# KiCad board NS32016-BC.kicad_pcb (continued)
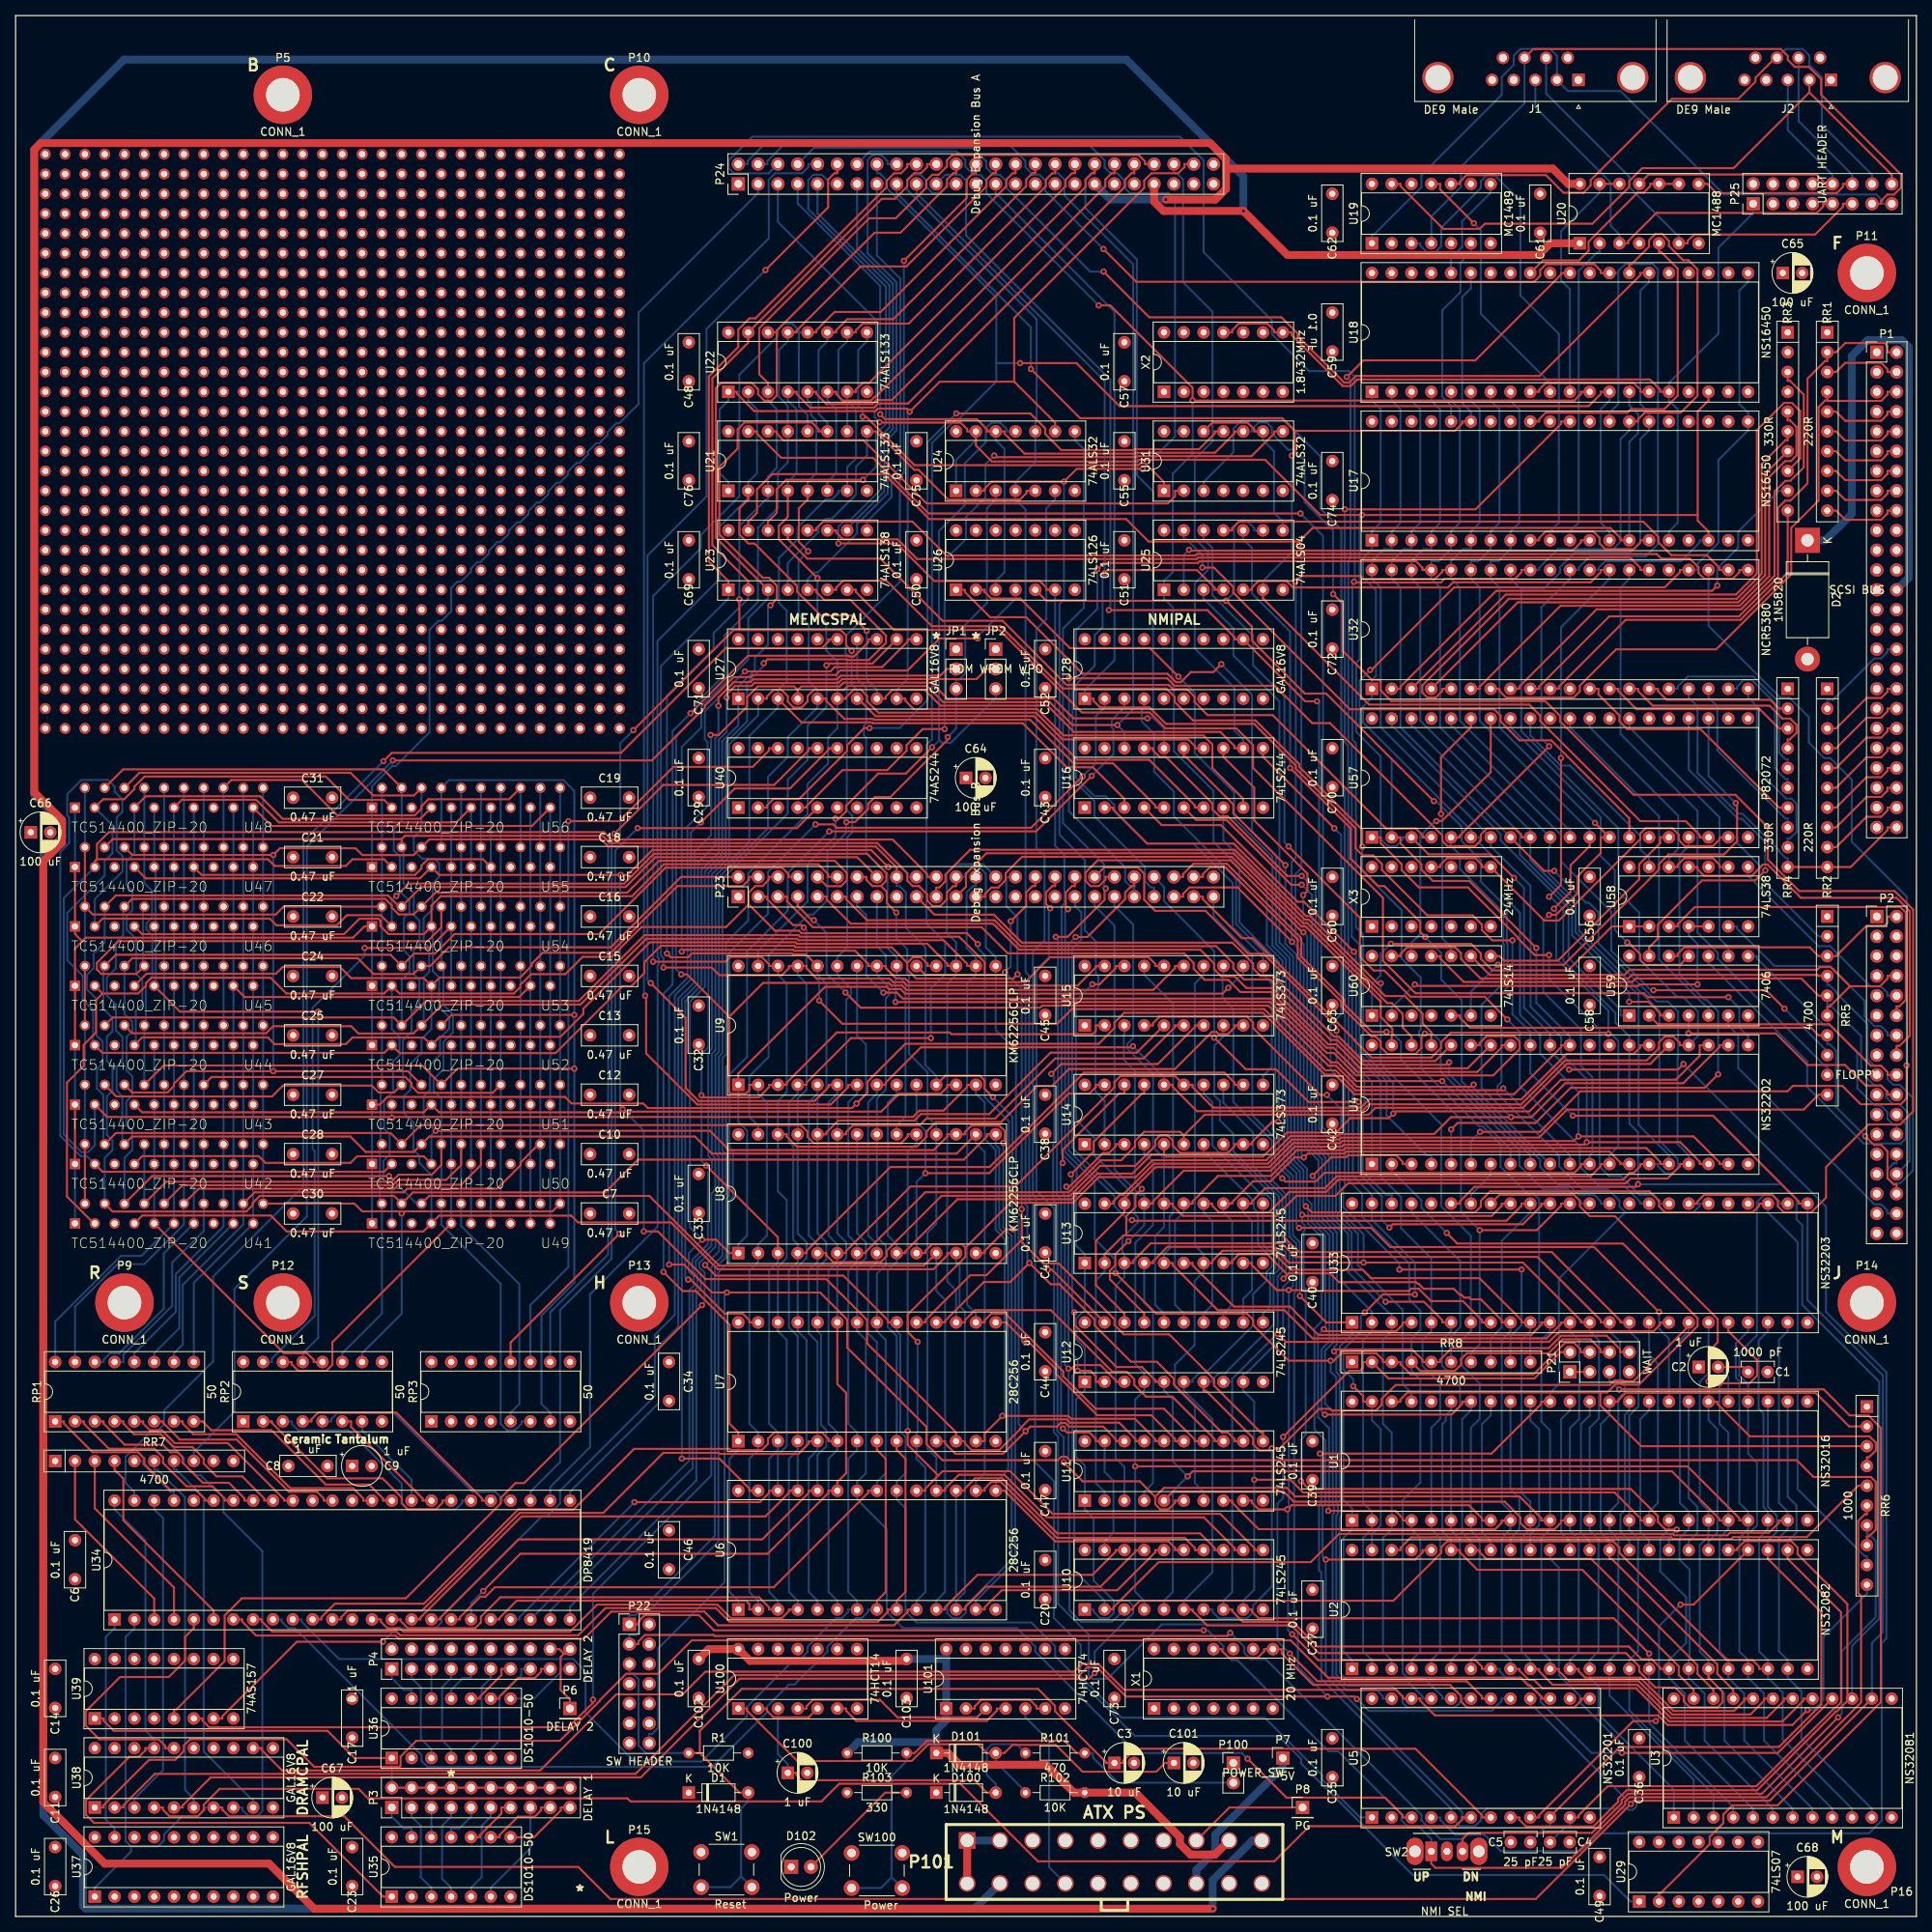
[diagram p0: board, top side]
## Nets (continued)
+pav: P24.19 U14.11 U15.11 U25.4
+phi1: C4.1 U1.26 U2.26 U5.11
+phi2: C5.1 U1.27 U2.27 U5.10
+rahs: RR7.3 U34.4
+ras_dly100: P3.2 P3.4 P3.6 P3.8 P3.10 P3.12 P3.14 P3.16 P3.18 P3.20 U36.1 U39.1
+rdy: U1.28 U2.28 U5.9 U33.26
+rfio: U34.46 U38.3
+rfshclk: U34.1 U37.19
+rts1_rs232: J1.7 P25.11 U20.6
+rts2_rs232: J2.7 P25.12 U20.8
+rxd1_rs232: J1.2 P25.15 U19.1
+rxd2_rs232: J2.2 P25.16 U19.13
+scsi_eop: RR5.9 U32.27
+scsi_ir: U4.6 U32.23
+st0: U1.43 U2.43 U3.23
+st1: U1.42 U2.42 U3.22 U4.3
+st2: U1.41 U2.41
+st3: U1.40 U2.40
+swap_jumper: P22.14 RR6.8 U27.11
+system_reset: P24.17 U17.35 U18.35 U25.6 U57.18
+tcu_clk_in: U5.13 X1.8 X1.11
+txd1_rs232: J1.3 P25.9 U20.3
+txd2_rs232: J2.3 P25.10 U20.11
+uart1_clk_out: U17.9 U17.15
+uart1_ir: U4.1 U17.30
+uart2_clk_out: U18.9 U18.15
+uart2_ir: U4.4 U18.30
+uart_xtal1: P25.1 U17.16 U18.16 X2.8 X2.11
-abt: U1.34 U2.34
-adr<6>: U17.12 U25.2
-ads: U1.37 U2.37
-cas1: RP2.6 U34.32
-cas2: RP2.11 U41.2 U42.2 U43.2 U44.2 U45.2 U46.2 U47.2 U48.2 U49.2 U50.2 U51.2 U52.2 U53.2 U54.2 U55.2 U56.2
-cts1: U17.36 U19.6
-cts2: U18.36 U19.8
-cwait: RR6.10 U5.22 U38.12
-dbe: P24.23 U5.1 U24.4 U24.10
-ddin: U1.38 U2.38 U5.5 U25.9 U26.5 U33.30
-ddin_buf: P24.9 U10.1 U11.1 U12.1 U13.1 U26.6 U38.5
-dma_ack0: U33.32 U57.1
-dma_ack2: P23.48 U33.36
-dma_ack3: P23.44 U33.38
-dma_breq: RR8.6 U33.45
-dma_cs: U31.3 U33.46
-dma_cs1: U22.9 U31.1
-dma_ir: U4.7 U33.42
-dma_req0: U25.12 U33.33
-dma_req1: U25.10 U33.35
-dma_req2: P23.46 RR8.7 U33.37
-dma_req3: P23.42 RR8.8 U33.39
-dram_cs: U27.15 U34.47 U38.8
-drv_sel0: U58.4 U58.5 U58.10 U60.2
-eprom_cs: U6.20 U7.20 U27.12 U29.1
-fdb_dir: P2.18 U59.2
-fdb_ds0: P2.14 U58.6
-fdb_ds1: P2.12 U58.3
-fdb_hdsel: P2.32 U59.6
-fdb_idx: P2.8 RR5.6 U60.9
-fdb_ld: P2.2 RR5.3 U59.12
-fdb_motor0: P2.10 U58.8
-fdb_motor1: P2.16 U58.11
-fdb_rddata: P2.30 RR5.7 U60.5
-fdb_stp: P2.20 U59.4
-fdb_trk0: P2.26 RR5.4 U60.13
-fdb_we: P2.24 U59.8
-fdb_wp: P2.28 RR5.5 U60.11
-fdb_wrdata: P2.22 U59.10
-flt: U1.33 U2.33
-hbe: U1.32 U26.2
-hbe_buf: P24.7 U24.12 U26.3 U31.10 U33.31
-hlda: U2.32 U26.1 U33.40
-hlda_mmu: U1.31 U2.31
-hold: RR6.4 U1.30 U2.30 U33.41
-int: RR6.3 U1.46 U4.2
-io_cs: U21.9 U23.4 U24.5
-io_cs_fff0: U5.23 U17.14 U18.14 U23.15
-io_cs_fff2: P24.11 U23.14
-io_cs_fff4: U23.13 U57.4
-io_cs_fff6: U23.12 U32.21
-io_cs_fff8: U23.11 U32.26
-io_cs_fffa: P24.13 U23.10
-io_cs_fffc: P24.15 U23.9
-io_cs_fffe: U4.21 U23.7
-io_edata_oe: U12.19 U24.6
-io_odata_oe: RR5.10 U13.19
-mem_data_oe: U10.19 U11.19 U24.8
-mode: U34.5 U38.16
-nmi: P24.21 U1.45 U28.12
-nmi_down: P22.3 RR6.7 SW2.3 U28.3
-nmi_up: P22.1 RR6.6 SW2.1 U28.2
-pav: RR6.9 U2.44 U5.6 U25.3 U33.27 U38.4
-pfs: U1.39 U2.39
-ras01: RP2.5 U34.28
-ras02: RP2.12 U41.9 U42.9 U43.9 U44.9
-ras11: RP2.4 U34.29
-ras12: RP2.13 U45.9 U46.9 U47.9 U48.9
-ras21: RP2.3 U34.30
-ras22: RP2.14 U49.9 U50.9 U51.9 U52.9
-ras31: RP2.2 U34.31
-ras32: RP2.15 U53.9 U54.9 U55.9 U56.9
-rasin: U34.48 U35.1 U38.17
-rd: P24.3 U4.30 U5.3 U6.22 U7.22 U8.22 U9.22 U17.21 U18.21 U32.24 U41.1 U42.1 U43.1 U44.1 U45.1 U46.1 U47.1 U48.1 U49.1 U50.1 U51.1 U52.1 U53.1 U54.1 U55.1 U56.1 U57.2
-rst_sw: C3.1 D1.2 P22.5 R1.1 SW1.2 U5.7
-rts1: U17.32 U20.4 U20.5
-rts2: U18.32 U20.9 U20.10
-rxd1: U17.10 U19.3
-rxd2: U18.10 U19.11
-sc_ack: P1.38 RR2.4 RR4.4 U32.14
-sc_atn: P1.32 RR2.2 RR4.2 U32.15
-sc_bsy: P1.36 RR2.3 RR4.3 U32.13
-sc_cd: P1.46 RR2.8 RR4.8 U32.18
-sc_db<0>: P1.2 RR1.2 RR3.2 U32.9
-sc_db<1>: P1.4 RR1.3 RR3.3 U32.8
-sc_db<2>: P1.6 RR1.4 RR3.4 U32.7
-sc_db<3>: P1.8 RR1.5 RR3.5 U32.6
-sc_db<4>: P1.10 RR1.6 RR3.6 U32.5
-sc_db<5>: P1.12 RR1.7 RR3.7 U32.4
-sc_db<6>: P1.14 RR1.8 RR3.8 U32.3
-sc_db<7>: P1.16 RR1.9 RR3.9 U32.2
-sc_dbp: P1.18 RR1.10 RR3.10 U32.10
-sc_io: P1.50 RR2.10 RR4.10 U32.17
-sc_msg: P1.42 RR2.6 RR4.6 U32.19
-sc_req: P1.48 RR2.9 RR4.9 U32.20
-sc_rst: P1.40 RR2.5 RR4.5 U32.16
-sc_sel: P1.44 RR2.7 RR4.7 U32.12
-spc: RR6.2 U1.35 U2.35 U3.21
-sram_cs: U8.20 U9.20 U27.14
-supervisor: U1.36 U2.36
-system_reset: U2.29 U3.15 U4.27 U5.8 U25.5 U32.28 U33.43
-tso: U5.17 U28.4 U38.2
-txd1: U17.11 U20.2
-txd2: U18.11 U20.12 U20.13
-wait1: P21.8 P23.40 RR8.5 U5.21
-wait2: P21.6 P23.38 RR8.4 U5.20
-wait4: P21.4 P23.36 RR8.3 U5.19
-wait8: P21.2 P23.34 RR8.2 U5.18
-we_h0: U31.8 U40.4
-we_h1: RP3.10 U40.16
-we_h2: RP3.7 U43.8 U44.8 U47.8 U48.8 U51.8 U52.8 U55.8 U56.8
-we_l0: U31.11 U40.2
-we_l1: RP3.11 U40.18
-we_l2: RP3.6 U41.8 U42.8 U45.8 U46.8 U49.8 U50.8 U53.8 U54.8
-win: RR7.5 U34.45
-wr: P24.5 U4.31 U5.4 U17.18 U18.18 U24.1 U24.13 U32.29 U57.3
-wr_e: JP1.3 U8.27 U24.3
-wr_o: JP2.3 U9.27 U24.11
/CPU/+bbg: C1.1 C2.2 U1.29
/IO/sc_term: D2.1 P1.26
io_decode1: RR8.9 U21.15
io_decode2: RR8.10 U23.6
PG: P8.1 P101.15
PWR_ON: P101.8 U101.5
Net-(C100-Pad1): C100.1 D100.2 R101.1 U100.3
Net-(C101-Pad1): C101.1 D101.2 R102.1 U100.1
Net-(D102-Pad2): D102.2 R103.2
Net-(JP1-Pad2): JP1.2 U6.27
Net-(JP2-Pad2): JP2.2 U7.27
Net-(P3-Pad1): P3.1 U35.13
Net-(P3-Pad3): P3.3 U35.3
Net-(P3-Pad5): P3.5 U35.12
Net-(P3-Pad7): P3.7 U35.4
Net-(P3-Pad9): P3.9 U35.11
Net-(P3-Pad11): P3.11 U35.5
Net-(P3-Pad13): P3.13 U35.10
Net-(P3-Pad15): P3.15 U35.6
Net-(P3-Pad17): P3.17 U35.9
Net-(P3-Pad19): P3.19 U35.8
Net-(P4-Pad1): P4.1 U36.13
Net-(P4-Pad3): P4.3 U36.3
Net-(P4-Pad5): P4.5 U36.12
Net-(P4-Pad7): P4.7 U36.4
Net-(P4-Pad9): P4.9 U36.11
Net-(P4-Pad10): P4.2 P4.4 P4.6 P4.8 P4.10 P4.12 P4.14 P4.16 P4.18 P4.20 P6.1
Net-(P4-Pad11): P4.11 U36.5
Net-(P4-Pad13): P4.13 U36.10
Net-(P4-Pad15): P4.15 U36.6
Net-(P4-Pad17): P4.17 U36.9
Net-(P4-Pad19): P4.19 U36.8
Net-(P21-Pad1): P21.1 P21.3 P21.5 P21.7 U29.2
Net-(P100-Pad2): P100.2 R100.2 R101.2 SW100.2
Net-(U100-Pad2): U100.2 U100.5
Net-(U100-Pad4): U100.4 U101.3
Net-(U100-Pad6): U100.6 U101.4
Net-(U101-Pad2): U101.2 U101.6

Pads without a net: J1 1 4 6 9; J2 1 4 6 9; P1 25; P2 4 6 34; P17 1 A2 A3 A4 A5 A6 A7 A8 A9 A10 A11 A12 A13 A14 A15 B1 B2 B3 B4 B5 B6 B7 B8 B9 B10 B11 B12 B13 B14 B15 C1 C2 C3 C4 C5 C6 C7 C8 C9 C10 C11 C12 C13 C14 C15 D1 D2 D3 D4 D5 D6 D7 D8 D9 D10 D11 D12 D13 D14 D15 E1 E2 E3 E4 E5 E6 E7 E8 E9 E10 E11 E12 E13 E14 E15 F1 F2 F3 F4 F5 F6 F7 F8 F9 F10 F11 F12 F13 F14 F15 G1 G2 G3 G4 G5 G6 G7 G8 G9 G10 G11 G12 G13 G14 G15 H1 H2 H3 H4 H5 H6 H7 H8 H9 H10 H11 H12 H13 H14 H15 J1 J2 J3 J4 J5 J6 J7 J8 J9 J10 J11 J12 J13 J14 J15 K1 K2 K3 K4 K5 K6 K7 K8 K9 K10 K11 K12 K13 K14 K15 L1 L2 L3 L4 L5 L6 L7 L8 L9 L10 L11 L12 L13 L14 L15 M1 M2 M3 M4 M5 M6 M7 M8 M9 M10 M11 M12 M13 M14 M15 N1 N2 N3 N4 N5 N6 N7 N8 N9 N10 N11 N12 N13 N14 N15 P1 P2 P3 P4 P5 P6 P7 P8 P9 P10 P11 P12 P13 P14 P15 Q1 Q2 Q3 Q4 Q5 Q6 Q7 Q8 Q9 Q10 Q11 Q12 Q13 Q14 Q15; P18 1 A2 A3 A4 A5 A6 A7 A8 A9 A10 A11 A12 A13 A14 A15 B1 B2 B3 B4 B5 B6 B7 B8 B9 B10 B11 B12 B13 B14 B15 C1 C2 C3 C4 C5 C6 C7 C8 C9 C10 C11 C12 C13 C14 C15 D1 D2 D3 D4 D5 D6 D7 D8 D9 D10 D11 D12 D13 D14 D15 E1 E2 E3 E4 E5 E6 E7 E8 E9 E10 E11 E12 E13 E14 E15 F1 F2 F3 F4 F5 F6 F7 F8 F9 F10 F11 F12 F13 F14 F15 G1 G2 G3 G4 G5 G6 G7 G8 G9 G10 G11 G12 G13 G14 G15 H1 H2 H3 H4 H5 H6 H7 H8 H9 H10 H11 H12 H13 H14 H15 J1 J2 J3 J4 J5 J6 J7 J8 J9 J10 J11 J12 J13 J14 J15 K1 K2 K3 K4 K5 K6 K7 K8 K9 K10 K11 K12 K13 K14 K15 L1 L2 L3 L4 L5 L6 L7 L8 L9 L10 L11 L12 L13 L14 L15 M1 M2 M3 M4 M5 M6 M7 M8 M9 M10 M11 M12 M13 M14 M15 N1 N2 N3 N4 N5 N6 N7 N8 N9 N10 N11 N12 N13 N14 N15 P1 P2 P3 P4 P5 P6 P7 P8 P9 P10 P11 P12 P13 P14 P15 Q1 Q2 Q3 Q4 Q5 Q6 Q7 Q8 Q9 Q10 Q11 Q12 Q13 Q14 Q15; P19 1 A2 A3 A4 A5 A6 A7 A8 A9 A10 A11 A12 A13 A14 A15 B1 B2 B3 B4 B5 B6 B7 B8 B9 B10 B11 B12 B13 B14 B15 C1 C2 C3 C4 C5 C6 C7 C8 C9 C10 C11 C12 C13 C14 C15 D1 D2 D3 D4 D5 D6 D7 D8 D9 D10 D11 D12 D13 D14 D15 E1 E2 E3 E4 E5 E6 E7 E8 E9 E10 E11 E12 E13 E14 E15 F1 F2 F3 F4 F5 F6 F7 F8 F9 F10 F11 F12 F13 F14 F15 G1 G2 G3 G4 G5 G6 G7 G8 G9 G10 G11 G12 G13 G14 G15 H1 H2 H3 H4 H5 H6 H7 H8 H9 H10 H11 H12 H13 H14 H15 J1 J2 J3 J4 J5 J6 J7 J8 J9 J10 J11 J12 J13 J14 J15 K1 K2 K3 K4 K5 K6 K7 K8 K9 K10 K11 K12 K13 K14 K15 L1 L2 L3 L4 L5 L6 L7 L8 L9 L10 L11 L12 L13 L14 L15 M1 M2 M3 M4 M5 M6 M7 M8 M9 M10 M11 M12 M13 M14 M15 N1 N2 N3 N4 N5 N6 N7 N8 N9 N10 N11 N12 N13 N14 N15 P1 P2 P3 P4 P5 P6 P7 P8 P9 P10 P11 P12 P13 P14 P15 Q1 Q2 Q3 Q4 Q5 Q6 Q7 Q8 Q9 Q10 Q11 Q12 Q13 Q14 Q15; P20 1 A2 A3 A4 A5 A6 A7 A8 A9 A10 A11 A12 A13 A14 A15 B1 B2 B3 B4 B5 B6 B7 B8 B9 B10 B11 B12 B13 B14 B15 C1 C2 C3 C4 C5 C6 C7 C8 C9 C10 C11 C12 C13 C14 C15 D1 D2 D3 D4 D5 D6 D7 D8 D9 D10 D11 D12 D13 D14 D15 E1 E2 E3 E4 E5 E6 E7 E8 E9 E10 E11 E12 E13 E14 E15 F1 F2 F3 F4 F5 F6 F7 F8 F9 F10 F11 F12 F13 F14 F15 G1 G2 G3 G4 G5 G6 G7 G8 G9 G10 G11 G12 G13 G14 G15 H1 H2 H3 H4 H5 H6 H7 H8 H9 H10 H11 H12 H13 H14 H15 J1 J2 J3 J4 J5 J6 J7 J8 J9 J10 J11 J12 J13 J14 J15 K1 K2 K3 K4 K5 K6 K7 K8 K9 K10 K11 K12 K13 K14 K15 L1 L2 L3 L4 L5 L6 L7 L8 L9 L10 L11 L12 L13 L14 L15 M1 M2 M3 M4 M5 M6 M7 M8 M9 M10 M11 M12 M13 M14 M15 N1 N2 N3 N4 N5 N6 N7 N8 N9 N10 N11 N12 N13 N14 N15 P1 P2 P3 P4 P5 P6 P7 P8 P9 P10 P11 P12 P13 P14 P15 Q1 Q2 Q3 Q4 Q5 Q6 Q7 Q8 Q9 Q10 Q11 Q12 Q13 Q14 Q15; P22 4 6 8 9 10 11 12; P23 27 29 31; P24 29 31 33 35 39 41 45 47; P25 2 3 5 6; RP2 1 8 9 16; RP3 1 2 3 4 8 9 13 14 15 16; RR7 9 10; U1 44; U2 45; U4 29; U5 14; U17 17 23 24 29 31 33 34; U18 17 23 24 29 31 33 34; U19 2 5 9 12; U26 8 11; U27 16 17 18 19; U28 5 6 7 8 9 13 14 15 16 17 18 19; U29 4 6 8 10 12; U31 6; U32 25; U33 28 29 34 44; U34 44; U35 2; U36 2; U37 12 13 14 15 16 17 18; U38 13 14 15 18 19; U39 4 9 12; U40 3 7 9 12 14; U57 20 28 31 37; U60 4; U100 8 9 10 11 12 13; U101 8 9 10 11 12 13; X1 1 2 3 5 6 9 10 12 13; X2 1 2 3 5 6 9 10 12 13; X3 1 2 3 5 6 9 10 12 13

## Via types
v1: diameter 0.8, hole 0.4, Top to Bottom, 279 vias

## Routing (per net, layer and track width the routed paths; a pad name or vN(x,y) marks a point on that pad's centre or on a via; arc(x,y) is an arc through that point)
5VSB: length 108.2
  Top w1: D101.1 119.61,20.96 121.11,19.46 132.18,19.46 135.76,15.88 R102.2 143.65,15.88 149.37,10.16 149.37,9.28 150.72,7.93 153.87,7.93 P101.17 ; C102.1 88.9,34.29 U100.14 94.22,32.78 114.06,32.78 C103.1
  In1.Cu w1: D100.1 D101.1
  Bottom w1: 119.38,33.02 C103.1 ; 119.38,33.02 U101.1 119.38,25.17 118.11,23.9 118.11,22.36 ; 119.38,33.02 U101.14 ; 118.11,22.36 108.08,22.36 R100.1 ; 118.11,22.36 D101.1
+12V: length 604.6
  Top w1: 155.28,224.21 155.28,221.61 153.91,220.24 v1(147.55,220.24) ; 155.28,224.21 197.19,224.21 199.16,222.25 U20.14 ; 155.28,224.21 155.28,225.44 153.23,227.49 3.25,227.49 2.4,226.64 2.4,144.2 5.95,140.64 5.95,137.75 3.55,135.35 3.55,14.65 11.42,6.77 32.51,6.77 38.3,0.99 v1(153.57,0.99)
  Bottom w1: v1(153.57,0.99) 153.57,4.65 158.66,9.74 P101.19 ; P24.37 140.44,220.24 v1(147.55,220.24)
-5V: length 20.9
  Bottom w1: P101.16 151.47,5.96 153.91,8.4 153.91,10.5 162.17,18.77 162.56,18.77 P7.1
-12V: length 579.9
  Top w1: U20.1 196.88,214.63 195.38,213.13 163.16,213.13 v1(157.5,218.78) 147.25,218.78 146.05,219.99 P24.43
  Bottom w1: v1(157.5,218.78) 157.5,223.19 142.51,238.19 13.89,238.19 2.38,226.68 2.38,143.87 5.99,140.27 5.99,138.48 3.56,136.06 3.56,12.98 8.63,7.91 8.63,1.38 9,1.01 123.05,1.01 P101.4
/VDD: length 9.7
  Top w1: P101.1 P101.2
  Bottom w1: P101.3 P101.1
VCC: length 45.4
  In1.Cu w1: C43.1 122.66,148.59 121.92,147.85 C64.1 ; U15.20 134.54,124.54 134.54,128.11 ; 134.54,128.11 133.82,128.83 133.82,130.34 P23.33 ; 134.54,128.11 129.42,128.11 128.27,129.26 114.58,129.26 P23.17
3st_buf: length 190.3
  Top w0.25: v1(48.4,148.29) 81.62,148.29 88.43,155.09 88.43,155.3 92.11,158.98 94.26,158.98 94.53,159.26 105.22,159.26 105.78,159.82 114.41,159.82 118.53,163.94 v1(123.42,163.94)
  Bottom w0.25: RR7.8 22.86,59.55 28.08,64.77 28.08,80.52 37.37,89.8 37.37,137.26 v1(48.4,148.29) ; U26.4 128.27,169.05 123.42,164.2 v1(123.42,163.94)
+adr<0>: length 209.7
  Top w0.25: U24.2 124.32,182.88 124.32,183.16 125.21,184.05 v1(134.49,184.05) 136.12,185.69 v1(144.58,185.69)
  Bottom w0.25: U14.2 139.7,104.65 138.54,105.81 138.54,118.82 138.9,119.18 138.9,120.61 138.57,120.94 138.57,125.08 137.17,126.48 137.17,135.5 133.91,138.76 133.91,168.34 134.49,168.92 v1(134.49,184.05) ; P24.2 93.89,224.79 93.89,225.16 96.53,227.8 137.16,227.8 139.7,225.26 139.7,224.36 140.44,223.61 141.31,223.61 142.15,222.78 142.15,221.87 142.95,221.07 147.9,221.07 148.73,220.24 148.73,190.5 ; v1(144.58,185.69) 148.73,189.85 148.73,190.5 ; 148.73,190.5 U31.13
+adr<1>: length 588.6
  Top w0.25: v1(116.71,95.35) 124.89,95.35 135.1,105.55 137.73,105.55 138.57,106.4 138.57,106.68 U14.19 ; 121.86,85.8 121.86,84.63 114.44,77.21 114.44,74.97 v1(115.71,73.7) ; 121.86,85.8 121.44,86.22 117.55,86.22 116.7,85.37 116.7,85.09 U8.10 ; 121.86,85.8 127.61,91.55 135.66,91.55 138.95,94.84 143.69,94.84 145.86,97.01 160.45,97.01 163.54,100.1 169.56,100.1 169.82,100.36 181.97,100.36 184.13,102.53 v1(191.84,102.53) 194.44,102.53 198.8,106.88 213.93,106.88 218.58,111.54 218.58,111.76 U4.22 ; U6.10 114.44,39.37 114.44,39.09 112.7,37.34 90.11,37.34 88.35,39.1 76.41,39.1 72.93,35.62 49.14,35.62 48.73,36.03 30.86,36.03 29.07,37.82 29.07,38.1 U34.7 ; U18.28 203.34,210.82 203.34,211.1 202.5,211.95 196.32,211.95 195.58,211.21 195.58,210.47 194.8,209.69 143.76,209.69 v1(139.55,213.9) ; U57.5 185.28,138.43 185.28,138.65 v1(196.74,150.11)
  Bottom w0.25: v1(191.84,102.53) 188.05,106.31 188.05,116.93 190.92,119.8 190.92,124.64 190.84,124.72 190.84,128.81 185.28,134.38 185.28,136.18 184.15,137.3 U57.5 ; U8.10 115.57,94.21 v1(116.71,95.35) 116.71,100.8 115.57,101.93 U9.10 ; U18.28 205.6,210.82 ; 205.6,210.82 205.6,211.1 206.46,211.96 210.04,211.96 210.68,211.32 210.68,176.03 209.08,174.44 201.95,174.44 200.52,173 200.52,172.72 U32.30 199.39,171.59 195.72,167.93 195.72,151.13 v1(196.74,150.11) ; 205.6,210.82 205.6,194.02 204.47,192.9 U17.28 ; U6.10 115.57,40.5 116.7,41.62 116.7,57.59 115.57,58.71 U7.10 115.57,62.09 115.71,62.22 v1(115.71,73.7) ; v1(139.55,213.9) 132.08,221.37 132.08,222.68 131.34,223.43 130.51,223.43 129.54,224.4 129.54,225.2 127.42,227.33 98.59,227.33 96.43,225.16 96.43,224.79 P24.4
+adr<2>: length 574.8
  Top w0.25: 147.32,97.71 145.69,97.71 143.27,95.29 138.77,95.29 135.47,92 120.82,92 114.16,85.33 114.16,85.09 U8.9 ; 147.32,97.71 U14.5 ; 147.32,97.71 147.56,97.47 160.02,97.47 163.11,100.55 169.38,100.55 171.22,102.4 176.13,102.4 v1(176.72,102.99) 177.01,103.27 194.19,103.27 198.25,107.33 212.98,107.33 216.04,110.4 216.04,111.76 U4.23 ; U17.27 208.14,191.77 208.14,192.05 208.98,192.9 213.59,192.9 215.76,195.06 215.76,211.31 214.6,212.46 213.91,212.46 212.09,214.29 212.09,214.95 211.22,215.82 210.34,215.82 209.55,215.03 209.55,214.2 207.29,211.95 207.01,211.95 U18.27 ; v1(171.69,171.21) 171.8,171.1 182.82,171.1 183.31,171.59 192.34,171.59 193.18,172.44 193.18,172.72 U32.32 ; U7.9 113.03,59.83 114.16,58.71 114.16,41.62 113.03,40.5 U6.9 111.9,39.37 111.9,39.09 110.61,37.79 91.59,37.79 89.83,39.55 75.67,39.55 72.18,36.07 49.33,36.07 48.87,36.52 32.91,36.52 31.61,37.82 31.61,38.1 U34.8
  Bottom w0.25: v1(176.72,102.99) 176.72,106.94 172.86,110.8 172.86,125.96 171.94,126.89 171.94,150.51 171.48,150.97 171.48,171 v1(171.69,171.21) 171.79,171.31 171.79,197.49 171.05,198.23 165.92,198.23 161.15,203.01 161.15,204.76 152.4,213.51 152.4,225.25 149.35,228.31 94.53,228.31 91.49,225.27 91.49,224.28 92.17,223.6 96.6,223.6 P24.6 ; U32.32 195.44,172.72 195.44,173 197.84,175.4 204.94,175.4 205.88,176.35 205.88,189.52 207.01,190.64 U17.27 ; U9.9 113.03,105.55 111.9,104.43 111.9,87.34 113.03,86.22 U8.9 113.03,83.96 111.9,82.83 111.9,75.57 113.03,74.44 U7.9
+adr<3>: length 536.7
  Top w0.25: U6.8 110.49,40.5 111.62,41.62 111.62,58.71 110.49,59.83 U7.8 ; U14.16 148.45,106.68 148.45,106.4 151.54,103.3 172.76,103.3 173.64,104.18 193.15,104.18 198.78,109.81 209.25,109.81 210.82,111.38 210.82,112.14 211.57,112.89 212.66,112.89 213.5,112.04 213.5,111.76 U4.24 ; v1(143.33,111.62) 143.2,111.49 116.14,111.49 111.62,106.96 111.62,106.68 U9.8 ; v1(139.57,211) 145.43,205.14 162.39,205.14 164.48,203.04 164.48,202.72 170.44,196.76 171.07,196.76 171.92,197.61 195.5,197.61 208.42,210.54 208.42,210.82 U18.26
  Bottom w0.25: v1(143.33,111.62) 147.15,107.81 147.32,107.81 U14.16 ; 193.15,170.21 193.15,152.03 205.6,139.58 205.6,131.44 208.28,128.76 208.28,122.81 213.1,117.99 213.88,117.99 215.81,116.07 215.81,112.94 U4.24 ; 193.15,170.21 195.94,170.21 198.12,172.39 198.12,173.08 199.99,174.95 207.09,174.95 208.42,176.29 208.42,189.52 209.55,190.64 U17.26 209.55,192.9 208.42,194.02 208.42,208.57 209.55,209.69 U18.26 ; 193.15,170.21 191.77,171.59 U32.33 ; v1(139.57,211) 137.85,211 127,221.85 127,222.68 126.26,223.43 125.43,223.43 124.54,224.31 124.54,225.11 122.77,226.88 102.42,226.88 P24.8 ; U6.8 109.36,39.37 109.36,39.09 108.52,38.24 107.77,38.24 104.14,34.62 104.14,33.95 99.93,29.74 99.2,29.74 96.38,26.91 96.38,26.17 89.39,19.18 52.84,19.18 52.07,19.96 52.07,20.72 35.81,36.97 34.99,36.97 34.15,37.82 34.15,38.1 U34.9 ; U9.8 110.49,105.55 109.36,104.43 109.36,87.34 110.49,86.22 U8.8 110.49,83.96 109.36,82.84 109.36,74.79 110.49,73.66 U7.8
